# Altium PCB GameBoard_V1I1.PcbDoc (part 2 of 22)
Units mil, origin at the board's own origin, x right, y up, seen from the top; angles counter-clockwise.
Board outline 7165.35 x 2814.96 mil, 12 copper layers (L1, L2, L3, L4, L5 (PWR), L6 (PWR), L7 (PWR), L8 (PWR), L9, L10, L11, L12), stack 61.575 mil thick; 1551 components, 1072 nets, 5467 pads, 3785 vias.
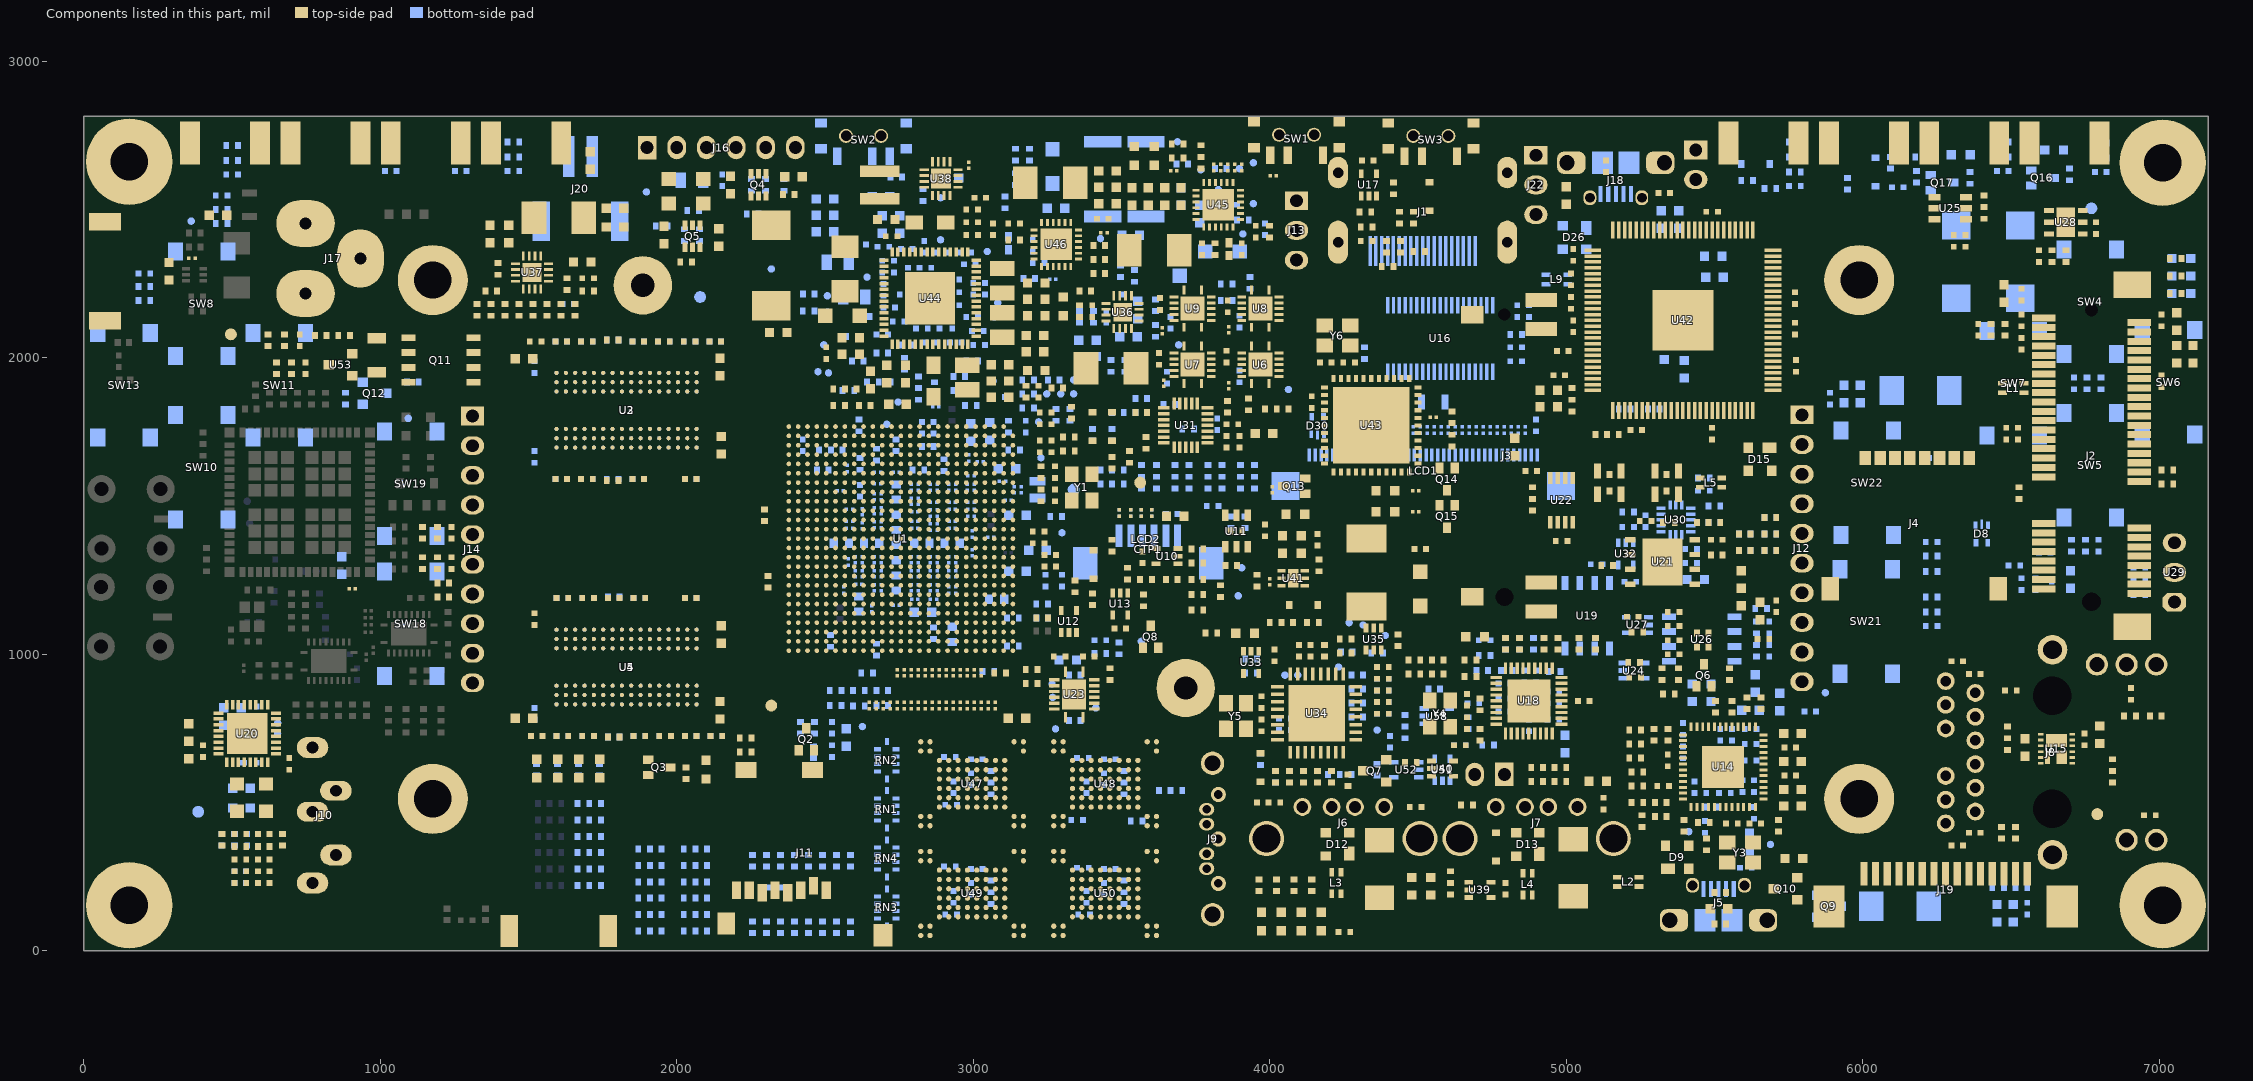
[diagram p12: the components of this part, seen from the top]

## Classes and differential pairs (continued)
net class "[03] - CPU - DDR3": +1V5_DDR +DDR_VREF DRAM0_ZQ DRAM1_ZQ DRAM2_ZQ DRAM3_ZQ DRAM_A0 DRAM_A1 DRAM_A2 DRAM_A3 DRAM_A4 DRAM_A5 DRAM_A6 DRAM_A7 DRAM_A8 DRAM_A9 DRAM_A10 DRAM_A11 DRAM_A12 DRAM_A13 DRAM_A14 DRAM_A15 DRAM_CAS_B DRAM_CLK0_N DRAM_CLK0_P DRAM_CLK1_N DRAM_CLK1_P DRAM_CS0_B DRAM_D0 DRAM_D1 DRAM_D2 DRAM_D3 DRAM_D4 DRAM_D5 DRAM_D6 DRAM_D7 DRAM_D8 DRAM_D9 DRAM_D10 DRAM_D11 DRAM_D12 DRAM_D13 DRAM_D14 DRAM_D15 DRAM_D16 DRAM_D17 DRAM_D18 DRAM_D19 DRAM_D20 DRAM_D21 DRAM_D22 DRAM_D23 DRAM_D24 DRAM_D25 DRAM_D26 DRAM_D27 DRAM_D28 DRAM_D29 DRAM_D30 DRAM_D31 DRAM_D32 DRAM_D33 DRAM_D34 DRAM_D35 DRAM_D36 DRAM_D37 DRAM_D38 DRAM_D39 DRAM_D40 DRAM_D41 DRAM_D42 DRAM_D43 DRAM_D44 DRAM_D45 DRAM_D46 DRAM_D47 DRAM_D48 DRAM_D49 DRAM_D50 DRAM_D51 DRAM_D52 DRAM_D53 DRAM_D54 DRAM_D55 DRAM_D56 DRAM_D57 DRAM_D58 DRAM_D59 DRAM_D60 DRAM_D61 DRAM_D62 DRAM_D63 DRAM_DQM0 DRAM_DQM1 DRAM_DQM2 DRAM_DQM3 DRAM_DQM4 DRAM_DQM5 DRAM_DQM6 DRAM_DQM7 DRAM_DQS0_N DRAM_DQS0_P DRAM_DQS1_N DRAM_DQS1_P DRAM_DQS2_N DRAM_DQS2_P DRAM_DQS3_N DRAM_DQS3_P DRAM_DQS4_N DRAM_DQS4_P DRAM_DQS5_N DRAM_DQS5_P DRAM_DQS6_N DRAM_DQS6_P DRAM_DQS7_N DRAM_DQS7_P DRAM_RAS_B DRAM_RESET_B DRAM_SDBA0 DRAM_SDBA1 DRAM_SDBA2 DRAM_SDCKE0 DRAM_SDODT0 DRAM_WE_B GND NetU1_AA11 NetU1_AB17 NetU1_AD17 NetU2_J1 NetU2_J9 NetU2_L1 NetU2_L9 NetU3_J1 NetU3_J9 NetU3_L1 NetU3_L9 NetU4_J1 NetU4_J9 NetU4_L1 NetU4_L9 NetU5_J1 NetU5_J9 NetU5_L1 NetU5_L9 ZQPAD
net class "[11] - CPU - JTAG/CONTROL": +1V5_DDR +3V0_ALWAYS +3V3 BOARD_ID_1 BOARD_VARIANT_0 BOARD_VARIANT_1 BOARD_VARIANT_2 BOOT_MODE0 BOOT_MODE1 CPU_XTALI CPU_XTALO GND JTAG_MOD JTAG_nTRST JTAG_TCK JTAG_TCK_R JTAG_TDI JTAG_TDI_R JTAG_TDO JTAG_TDO_R JTAG_TMS MCU_RSTOUTn MCU_RSTOUTn_R NetU1_C5 NetU1_D5 NetU1_V24 NetU1_W24 ON_OFF PCIE_RSTn PCIE_RSTn_R PMIC_INT PMIC_ON_REQ PMIC_STBY_REQ PMIC_STBY_REQ_CPU POK_1V375_OPT POK_3V3_OPT POK_PMIC POK_SYS POR_Bn POR_CT POR_R_Bn PWRON RGMII_RSTn RGMII_RSTn_R RSTINn RSTINn_BUFF RSTOUTn RSTOUTn_BUFF RSTOUTn_R RTC_XTALI RTC_XTALO SENSE_1V5 TAMPER TEST_MODE WD_OUT
component class "[31] - PWR BATTERY CHARGER": BAT1 C477 C478 C479 C480 C481 C482 C483 C484 C485 C486 C487 C488 C489 C490 C491 C492 C493 C494 C495 C496 C497 C498 D46 D47 D48 D49 D50 D51 D52 D53 J20 JP3 L17 L18 R465 R466 R467 R468 R469 R470 R471 R472 R473 R474 R475 R476 R477 R478 R479 R480 R481 R482 R483 R484 R485 R486 R487 R488 R489 R490 R491 R492 R493 R494 R495 R496 TP44 TP45 TP46 TP47 TP48 TP49 TP50 TP51 U45 U46
component class "[30] - PWR PMIC": C416 C417 C418 C419 C420 C421 C422 C423 C424 C425 C426 C427 C428 C429 C430 C431 C432 C433 C434 C435 C436 C437 C438 C439 C440 C441 C442 C443 C444 C445 C446 C447 C448 C449 C450 C451 C452 C453 C454 C455 C456 C457 C458 C459 C460 C461 C462 C463 C464 C465 C466 C467 C468 C469 C470 C471 C472 C473 C474 D45 FIRMWARE_FOR_U1 L11 L12 L13 L14 L15 L16 R430 R431 R432 R433 R434 R435 R436 R437 R438 R439 R440 R441 R442 TP27 TP28 TP29 TP30 TP31 TP32 TP33 TP34 TP35 TP36 TP37 TP38 TP39 TP40 TP41 U44
component class "[29] - PWR IN, MECH, DOC": C350 C351 C352 C353 C354 C355 C356 C357 C358 C359 C360 C519 C520 C521 D24 D25 D26 FB42 FID1 FID2 FID3 FID4 FID5 FID6 FID7 FID8 J13 J17 J18 J22 JP2 L8 L9 LINK2 MH1 MH2 MH3 MH4 MH5 MH6 PCB1 Q9 Q10 Q11 Q12 R317 R318 R319 R320 R321 R322 R323 R324 R325 R326 R506 R677 R678 R679 SW2 TP22 TP23 TP24 TP25 TP26 U38 U39 U40 U51 U52 U53 U58
component class "[28] - PWR 1V375 OPT, 3V3 OPT": C337 C338 C339 C340 C341 C342 C343 C344 C345 C346 C347 C348 C349 L6 L7 R294 R295 R296 R297 R298 R299 R300 R301 R302 R303 R304 R305 R306 R307 R308 R309 R310 R311 R312 R313 R314 R315 R316 TP21 U36 U37
component class "[27] - LEDS, BUTTONS": C395 C396 C397 C398 C399 C400 C401 C402 C403 C404 C405 C406 C407 C408 C409 C410 C411 C412 C413 C414 C415 D33 D34 D35 D36 D37 D38 D39 D40 D41 D42 D43 D44 Q16 Q17 R376 R377 R378 R379 R380 R381 R382 R383 R384 R385 R386 R387 R388 R389 R390 R391 R392 R393 R394 R395 R396 R397 R398 R399 R400 R401 R402 R403 R404 R405 R406 R407 R408 R409 R410 R411 R412 R413 R414 R415 R416 R417 R418 R419 R420 R421 R422 R423 R424 R425 R426 R427 R428 R429 SW4 SW5 SW6 SW7 SW8 SW9 SW10 SW11 SW12 SW13 SW14 SW15 SW16 SW17 SW18 SW19 SW20 SW21 SW22 SW23
component class "[25] - LCD,TSC": C361 C362 C363 C364 C365 C366 C367 C368 C369 C370 C371 C372 C373 C374 C375 C376 C377 C378 C379 C380 C381 C382 C383 C384 C385 C386 C387 C388 C389 C390 C391 C392 C393 C394 CTP1 D27 D28 D29 D30 D31 D32 FB43 FB44 FB45 FB46 FB47 L10 LCD1 LCD2 Q13 Q14 Q15 R327 R328 R329 R330 R331 R332 R333 R334 R335 R336 R337 R338 R339 R340 R341 R342 R343 R344 R345 R346 R347 R348 R349 R350 R351 R352 R353 R354 R355 R356 R357 R358 R359 R360 R361 R362 R363 R364 R365 R366 R367 R368 R369 R370 R371 R372 R373 R374 R375 R575 R589 SW3 TP56 U41 U42 U43 Y6
component class "[24] - HEADERS, UART": C289 C290 C297 C298 C299 C300 D15 D16 D17 D18 D19 D20 D21 FB24 FB27 FB28 FB31 J12 J14 J16 L5 Q4 Q5 R222 R223 R224 R225 R231 R232 R233 R234 R235 R236 R237 R238 R239 R240 R576 R577 R578 R579 R588 R629 R630 R631 R632 R633 R634 R635 R636 R637 R638 R639 R640 R641 R642 R643 R644 R645 R646 R647 R648 R649 R650 R651 R652 R653 R654 R655 R656 R657 R658 R659 R660 R661 R662 R663 R664 R665 R666 R667 R668 R669 R670 R671 R672 R673 RN1 RN2 RN3 RN4
component class "[23] - SENSORS, CAN, IR": C301 C302 C303 C304 C305 C306 C307 C308 C309 C310 C311 C312 C313 C314 C315 C316 C317 C318 C319 C320 C321 C322 C323 C324 FB32 FB33 FB34 FB35 Q6 R241 R242 R243 R244 R245 R246 R247 R248 R249 R250 R251 R252 R253 R254 R255 R256 R257 R258 R259 R260 R261 R262 R263 R264 R265 R266 R267 R268 U24 U25 U26 U27 U28 U29 U30 U31 U32
component class "[22] - SD CARD, SPI, FLASH, EEPROM,": C284 C285 C286 C287 C288 CR3 D14 FIRMWARE_FOR_CARD_IN_J1 J11 Q2 Q3 R207 R208 R209 R210 R211 R212 R213 R214 R215 R216 R217 R218 R219 R221 R229 R230 R559 R560 R561 R580 R615 R616 R617 R618 R619 R622 TP14 TP15 TP16 TP17 TP18 U21 U22 U23
component class "[21] - AUDIO": C268 C269 C270 C271 C272 C273 C274 C275 C276 C277 C278 C279 C280 C281 C282 C283 FB16 FB17 FB18 FB19 FB20 FB21 FB22 FB23 J10 R201 R202 R203 R204 R205 R206 TP12 TP13 U20
component class "[20] - ETHERNET, SATA": C262 C263 C264 C265 C266 C267 J8 J9 R199 R200
component class "[19] - USB": C240 C241 C242 C243 C244 C245 C246 C247 C248 C249 C250 C251 C252 C253 C254 C255 C256 C257 C258 C259 C260 C261 D9 D10 D11 D12 D13 FB12 FB13 FB14 FB15 J5 J6 J7 L2 L3 L4 R157 R158 R159 R160 R161 R162 R163 R164 R165 R166 R167 R168 R169 R170 R171 R172 R173 R174 R175 R176 R177 R178 R179 R180 R181 R182 R183 R184 R185 R186 R187 R188 R189 R190 R191 R192 R193 R194 R195 R196 R197 R198 TP11 U18 U19 Y4
component class "[18] - PCIE MINI": C224 C225 C226 C227 C228 C229 C230 C231 C232 C233 C234 C235 C236 C237 C238 C239 CR1 CR2 D5 D6 D7 D8 FB8 FB9 FB10 FB11 J2 J3 J4 L1 R151 R152 R153 R154 R155 R156
component class "[17] - LVDS, CSI": C475 C476 FB48 J19 R443 R444 R445 R446 R447 R448 R449 R450 R451 R452 R453 R454 R455 R456 R457 R458 R459 R460 R461 R462 R463 R464 TP42 TP43
component class "[16] - HDMI": C218 C219 C220 C221 C222 C223 D4 J1 R141 R142 R143 R144 R145 R146 R147 R148 R149 R150 U16 U17
component class "[15] - ETHERNET PHY": C188 C189 C190 C191 C192 C193 C194 C195 C196 C197 C198 C199 C200 C201 C202 C203 C204 C205 C206 C207 C208 C209 C210 C211 C212 C213 C214 C215 C216 C217 FB2 FB3 FB4 FB5 FB6 FB7 R117 R118 R119 R120 R121 R122 R123 R124 R125 R126 R127 R128 R129 R130 R131 R132 R133 R134 R135 R136 R137 R138 R139 R140 TP9 TP10 U14 U15 Y3
component class "[14] - MCU": C325 C326 C327 C328 C329 C330 C331 C332 C333 C334 C335 C336 D22 D23 FB36 FB37 FB38 FB39 FB40 FB41 Q7 Q8 R226 R227 R228 R269 R270 R271 R272 R273 R274 R275 R276 R277 R278 R279 R280 R281 R282 R283 R284 R285 R286 R287 R288 R289 R290 R291 R292 R293 R582 R583 TP19 TP20 TP52 TP53 TP54 TP55 U33 U34 U35 Y5
component class "[12] - CPU - POWER": C103 C104 C105 C106 C107 C108 C109 C110 C111 C112 C113 C114 C115 C116 C117 C118 C119 C120 C121 C122 C123 C124 C125 C126 C127 C128 C129 C130 C131 C132 C133 C134 C135 C136 C137 C138 C139 C140 C141 C142 C143 C144 C145 C146 C147 C148 C149 C150 C151 C152 C153 C154 C155 C156 C157 C158 C159 C160 C161 C162 C163 C164 C165 C166 C167 C168 C169 C170 C171 C172 C173 C174 C175 C176 C177 C178 C179 C180 C181 C182 C183 C184 C185 C186 C187 R113 R114 R115 R116
component class "[11] - CPU - JTAG, CONTROL": C94 C95 C96 C97 C98 C99 C100 C101 C102 D1 D2 D3 LINK1 R66 R67 R68 R69 R70 R71 R72 R73 R74 R75 R76 R77 R78 R79 R80 R81 R82 R84 R85 R86 R87 R88 R89 R90 R91 R92 R93 R94 R95 R96 R97 R98 R99 R100 R101 R102 R103 R104 R105 R106 R107 R108 R109 R110 R111 R112 TP3 TP4 TP5 TP6 TP7 TP8 U1 U10 U11 U12 U13 Y1 Y2
component class "[10] - CPU - GPIO, PWM, LEDS, BUTTONS": R46 R47 R48 R49 R50 R51 TP2
component class "[08] - CPU - SPI, UART": R42 R44 R45
component class "[07] - CPU - CSI, FLASH": C499 C500 C501 C502 C503 C504 C505 C506 C507 C508 C509 C510 C511 C512 C513 C514 C515 C516 C517 C518 FB49 R497 R498 R499 R500 R501 R502 R503 R504 R505 R574 U47 U48 U49 U50
component class "[09] - CPU - SD, AUDIO, I2C, CAN": R52 R53 R54 R55 R56 R57 R58 R59 R60 R61 R62 R63 R64 R65 R591 R592 R593 R594 R595 R596 R597 R598 R599 R600 R601 R602 R603 R604 R605 R606 R607 R608 R609 R610 R611 R612 R613 R614 R620 R621
component class "[05] - CPU - HDMI, LVDS": C72 C73 C74 C75 C76 C77 C78 C79 C80 C81 C82 C83 C84 C85 C86 R20 R21 R22 R23 R24 R25 R26 R27 R28 R29 R30 R31 R32 R33 R34 R35 R36 R587 SW1 U6 U7 U8 U9
component class "[04] - CPU - PCIE, USB": C59 C60 C61 C62 C63 C64 C65 C66 C67 C68 C69 C70 C71 FB1 R12 R13 R14 R15 R16 R17 R18 R19 R581 R590 R625 R626 R674 TP1 TP61
component class "[03] - CPU - DDR3, DDR3 MEM": C1 C2 C3 C4 C5 C6 C7 C8 C9 C10 C11 C12 C13 C14 C15 C16 C17 C18 C19 C20 C21 C22 C23 C24 C25 C26 C27 C28 C29 C30 C31 C32 C33 C34 C35 C36 C37 C38 C39 C40 C41 C42 C43 C44 C45 C46 C47 C48 C49 C50 C51 C52 C53 C54 C55 C56 C57 C58 R1 R2 R3 R4 R5 R6 R7 R8 R9 R10 R11 U2 U3 U4 U5
net class MCU_LCD_SE: ACTIVE QB0 QB1 QB2 QB3 QB4 QB5 QB6 QB7 QDE QE0 QE1 QE2 QE3 QE4 QE5 QE6 QE7 QHSYNC QODCK QR0 QR1 QR2 QR3 QR4 QR5 QR6 QR7 QVSYNC
net class BUTTONS: BUMP_L1 BUMP_L2 BUMP_R1 BUMP_R2 MOV_LD MOV_LL MOV_LR MOV_LU MOV_RD MOV_RL MOV_RR MOV_RU SEL_L1 SEL_L2 SEL_R1 SEL_R2 USER_BTN_1 USER_BTN_2 USER_BTN_3
net class USER_LEDS: USER_LED_1 USER_LED_2 USER_LED_3 USER_LED_4 USER_LED_5 USER_LED_6 USER_LED_7 USER_LED_8
net class USB1: USB1_HUB_N USB1_HUB_P USB1_N USB1_P USB_BOT_L_N USB_BOT_L_P USB_BOT_N USB_BOT_P USB_H1_OC USB_HDR_L_N USB_HDR_L_P USB_MCU_N USB_MCU_P USB_MCU_R_N USB_MCU_R_P USB_MPCIE_L_N USB_MPCIE_L_P USB_MPCIE_N USB_MPCIE_OC USB_MPCIE_P USB_TOP_L_N USB_TOP_L_P USB_TOP_N USB_TOP_P USBDN1_N USBDN1_OC USBDN1_P USBDN1_PWR_EN USBDN2_N USBDN2_OC USBDN2_P USBDN2_PWR_EN USBDN3_N USBDN3_OC USBDN3_P USBDN4_N USBDN4_P
net class USB0: USB0_CHD USB0_ID USB0_ID_BUFF_EN USB0_N USB0_OTG_L_N USB0_OTG_L_P USB0_OTG_N USB0_OTG_P USB0_P USB_OC
net class UART5: UART5_CTS UART5_RTS UART5_RXD UART5_TXD
net class UART3: UART3_CTS UART3_RTS UART3_RXD UART3_TXD
net class UART2: UART2_RXD UART2_TXD
net class UART1: UART1_CTS UART1_CTS_FTDI UART1_RTS UART1_RTS_FTDI UART1_RXD UART1_RXD_FTDI UART1_TXD UART1_TXD_FTDI
net class TS: TS_X+ TS_X- TS_Y+ TS_Y-
net class SIM: +MPCIE_SIM_PWR +MPCIE_SIM_VPP MPCIE_SIM_C4 MPCIE_SIM_C4_R MPCIE_SIM_C8 MPCIE_SIM_C8_R MPCIE_SIM_CLK MPCIE_SIM_DATA MPCIE_SIM_RST
net class SD2: SD2_ACT SD2_CD SD2_CLK SD2_CLK_R SD2_CMD SD2_CMD_R SD2_DATA0 SD2_DATA1 SD2_DATA2 SD2_DATA3 SD2_WP
net class SATA: SATA_C_RX_N SATA_C_RX_P SATA_C_TX_N SATA_C_TX_P SATA_REXT SATA_RX_N SATA_RX_P SATA_TX_N SATA_TX_P
net class RGMII_TXD: RGMII_R_TXCLK RGMII_TXCLK RGMII_TXD0 RGMII_TXD1 RGMII_TXD2 RGMII_TXD3 RGMII_TXEN
net class RGMII_RXD: RGMII_R_RXCLK RGMII_RXCLK RGMII_RXD0 RGMII_RXD1 RGMII_RXD2 RGMII_RXD3 RGMII_RXDV
net class RGMII_MISC: ENET_REF_CLK ENET_REF_CLK_R ETH_ISET RGMII_INT RGMII_INT_R RGMII_MDC RGMII_MDIO RGMII_R_MDC RGMII_R_MDIO
net class PWM: BL_PWM CHARGE_C\E\ CHARGE_INT VPP/MCLR
net class PCIE: PCIE_C_TX_N PCIE_C_TX_P PCIE_CLK_C_N PCIE_CLK_C_P PCIE_CLK_N PCIE_CLK_P PCIE_RSTn_R PCIE_RSTn_R_CPU PCIE_RX_N PCIE_RX_P PCIE_TX_N PCIE_TX_P PCIE_WAKE PCIE_WDISn
net class MIPI_CSI: CSI_CLK0_N CSI_CLK0_P CSI_D0_N CSI_D0_P CSI_D1_N CSI_D1_P CSI_GPIO0 CSI_GPIO1 CSI_REXT
net class LVDS: LVDS0_CLK_N LVDS0_CLK_P LVDS0_TX0_N LVDS0_TX0_P LVDS0_TX1_N LVDS0_TX1_P LVDS0_TX2_N LVDS0_TX2_P LVDS0_TX3_N LVDS0_TX3_P
net class LCD_SE: LCD_B0 LCD_B1 LCD_B2 LCD_B3 LCD_B4 LCD_B5 LCD_B6 LCD_B7 LCD_DE LCD_G0 LCD_G1 LCD_G2 LCD_G3 LCD_G4 LCD_G5 LCD_G6 LCD_G7 LCD_HSYNC LCD_PCLK LCD_R0 LCD_R1 LCD_R2 LCD_R3 LCD_R4 LCD_R5 LCD_R6 LCD_R7 LCD_VSYNC
net class LCD_R[7..0]: LCD_R0 LCD_R1 LCD_R2 LCD_R3 LCD_R4 LCD_R5 LCD_R6 LCD_R7
net class LCD_G[7..0]: LCD_G0 LCD_G1 LCD_G2 LCD_G3 LCD_G4 LCD_G5 LCD_G6 LCD_G7
net class LCD_B[7..0]: LCD_B0 LCD_B1 LCD_B2 LCD_B3 LCD_B4 LCD_B5 LCD_B6 LCD_B7
net class JTAG: JTAG_MOD JTAG_nTRST JTAG_TCK JTAG_TCK_R JTAG_TDI JTAG_TDI_R JTAG_TDO JTAG_TDO_R JTAG_TMS
net class I2C3: I2C3_SCL I2C3_SDA
net class I2C2: I2C2_SCL I2C2_SDA
net class I2C1: I2C1_SCL I2C1_SDA
net class HDMI: HDMI_CEC HDMI_CEC_CON HDMI_CEC_IN HDMI_DDC HDMI_HPD HDMI_HPD_BUFF HDMI_HPD_CON HDMI_HPD_R HDMI_SCL_CON HDMI_SCL_CON_R HDMI_SDA_CON HDMI_SDA_CON_R MX6_HDMI_CLK_N MX6_HDMI_CLK_P MX6_HDMI_D0_N MX6_HDMI_D0_P MX6_HDMI_D1_N MX6_HDMI_D1_P MX6_HDMI_D2_N MX6_HDMI_D2_P
net class GPIO: CPU_GPIO0 CPU_GPIO1 CPU_GPIO2
net class GPIO_MISC: COMP_INT GYRO_INT IR_RCV MCU_ISPn MCU_RSTINn MCU_SWDIO MCU_SWDIO_SEL TEMP_ALERT USER_LED
net class FLEXCAN: CAN_N CAN_P FLEXCAN1_RX FLEXCAN1_STBY FLEXCAN1_TX SPLIT_R
net class ENET: ENET_LED_LINK ENET_LED_RX LED1 LED2 TRD0_N TRD0_P TRD1_N TRD1_P TRD2_N TRD2_P TRD3_N TRD3_P
net class DRAM_SDCLK: DRAM_CLK0_N DRAM_CLK0_P DRAM_CLK1_N DRAM_CLK1_P
net class DRAM_OTHERS: ZQPAD
net class DRAM_D[63..0]: DRAM_D0 DRAM_D1 DRAM_D2 DRAM_D3 DRAM_D4 DRAM_D5 DRAM_D6 DRAM_D7 DRAM_D8 DRAM_D9 DRAM_D10 DRAM_D11 DRAM_D12 DRAM_D13 DRAM_D14 DRAM_D15 DRAM_D16 DRAM_D17 DRAM_D18 DRAM_D19 DRAM_D20 DRAM_D21 DRAM_D22 DRAM_D23 DRAM_D24 DRAM_D25 DRAM_D26 DRAM_D27 DRAM_D28 DRAM_D29 DRAM_D30 DRAM_D31 DRAM_D32 DRAM_D33 DRAM_D34 DRAM_D35 DRAM_D36 DRAM_D37 DRAM_D38 DRAM_D39 DRAM_D40 DRAM_D41 DRAM_D42 DRAM_D43 DRAM_D44 DRAM_D45 DRAM_D46 DRAM_D47 DRAM_D48 DRAM_D49 DRAM_D50 DRAM_D51 DRAM_D52 DRAM_D53 DRAM_D54 DRAM_D55 DRAM_D56 DRAM_D57 DRAM_D58 DRAM_D59 DRAM_D60 DRAM_D61 DRAM_D62 DRAM_D63
net class DRAM_BANK7: DRAM_D56 DRAM_D57 DRAM_D58 DRAM_D59 DRAM_D60 DRAM_D61 DRAM_D62 DRAM_D63 DRAM_DQM7 DRAM_DQS7_N DRAM_DQS7_P
net class DRAM_BANK6: DRAM_D48 DRAM_D49 DRAM_D50 DRAM_D51 DRAM_D52 DRAM_D53 DRAM_D54 DRAM_D55 DRAM_DQM6 DRAM_DQS6_N DRAM_DQS6_P
net class DRAM_BANK5: DRAM_D40 DRAM_D41 DRAM_D42 DRAM_D43 DRAM_D44 DRAM_D45 DRAM_D46 DRAM_D47 DRAM_DQM5 DRAM_DQS5_N DRAM_DQS5_P
net class DRAM_BANK4: DRAM_D32 DRAM_D33 DRAM_D34 DRAM_D35 DRAM_D36 DRAM_D37 DRAM_D38 DRAM_D39 DRAM_DQM4 DRAM_DQS4_N DRAM_DQS4_P
net class DRAM_BANK3: DRAM_D24 DRAM_D25 DRAM_D26 DRAM_D27 DRAM_D28 DRAM_D29 DRAM_D30 DRAM_D31 DRAM_DQM3 DRAM_DQS3_N DRAM_DQS3_P
net class DRAM_BANK2: DRAM_D16 DRAM_D17 DRAM_D18 DRAM_D19 DRAM_D20 DRAM_D21 DRAM_D22 DRAM_D23 DRAM_DQM2 DRAM_DQS2_N DRAM_DQS2_P
net class DRAM_BANK1: DRAM_D8 DRAM_D9 DRAM_D10 DRAM_D11 DRAM_D12 DRAM_D13 DRAM_D14 DRAM_D15 DRAM_DQM1 DRAM_DQS1_N DRAM_DQS1_P
net class DRAM_BANK0: DRAM_D0 DRAM_D1 DRAM_D2 DRAM_D3 DRAM_D4 DRAM_D5 DRAM_D6 DRAM_D7 DRAM_DQM0 DRAM_DQS0_N DRAM_DQS0_P
net class DRAM_ADDR_CTRL: DRAM_A0 DRAM_A1 DRAM_A2 DRAM_A3 DRAM_A4 DRAM_A5 DRAM_A6 DRAM_A7 DRAM_A8 DRAM_A9 DRAM_A10 DRAM_A11 DRAM_A12 DRAM_A13 DRAM_A14 DRAM_A15 DRAM_CAS_B DRAM_CS0_B DRAM_RAS_B DRAM_RESET_B DRAM_SDBA0 DRAM_SDBA1 DRAM_SDBA2 DRAM_SDCKE0 DRAM_SDODT0 DRAM_WE_B
net class DRAM_A[15..0]: DRAM_A0 DRAM_A1 DRAM_A2 DRAM_A3 DRAM_A4 DRAM_A5 DRAM_A6 DRAM_A7 DRAM_A8 DRAM_A9 DRAM_A10 DRAM_A11 DRAM_A12 DRAM_A13 DRAM_A14 DRAM_A15
net class DIFF100: CAN_N CAN_P CSI_CLK0_N CSI_CLK0_P CSI_CLK0_R_N CSI_CLK0_R_P CSI_D0_N CSI_D0_P CSI_D0_R_N CSI_D0_R_P CSI_D1_N CSI_D1_P CSI_D1_R_N CSI_D1_R_P DRAM_CLK0_N DRAM_CLK0_P DRAM_CLK1_N DRAM_CLK1_P DRAM_DQS0_N DRAM_DQS0_P DRAM_DQS1_N DRAM_DQS1_P DRAM_DQS2_N DRAM_DQS2_P DRAM_DQS3_N DRAM_DQS3_P DRAM_DQS4_N DRAM_DQS4_P DRAM_DQS5_N DRAM_DQS5_P DRAM_DQS6_N DRAM_DQS6_P DRAM_DQS7_N DRAM_DQS7_P HDMI_CLK_N HDMI_CLK_P HDMI_D0_N HDMI_D0_P HDMI_D1_N HDMI_D1_P HDMI_D2_N HDMI_D2_P LCD_HDMI_CLK_N LCD_HDMI_CLK_P LCD_HDMI_D0_N LCD_HDMI_D0_P LCD_HDMI_D1_N LCD_HDMI_D1_P LCD_HDMI_D2_N LCD_HDMI_D2_P LVDS0_CLK_N LVDS0_CLK_P LVDS0_CLK_R_N LVDS0_CLK_R_P LVDS0_TX0_N LVDS0_TX0_P LVDS0_TX1_N LVDS0_TX1_P LVDS0_TX2_N LVDS0_TX2_P LVDS0_TX3_N LVDS0_TX3_P MX6_HDMI_CLK_N MX6_HDMI_CLK_P MX6_HDMI_D0_N MX6_HDMI_D0_P MX6_HDMI_D1_N MX6_HDMI_D1_P MX6_HDMI_D2_N MX6_HDMI_D2_P PCIE_CLK_C_N PCIE_CLK_C_P PCIE_CLK_N PCIE_CLK_P SATA_C_RX_N SATA_C_RX_P SATA_C_TX_N SATA_C_TX_P SATA_RX_N SATA_RX_P SATA_TX_N SATA_TX_P TRD0_N TRD0_P TRD1_N TRD1_P TRD2_N TRD2_P TRD3_N TRD3_P
net class DIFF90: PCIE_C_TX_N PCIE_C_TX_P PCIE_RX_N PCIE_RX_P PCIE_TX_N PCIE_TX_P USB0_N USB0_OTG_L_N USB0_OTG_L_P USB0_OTG_N USB0_OTG_P USB0_P USB1_HUB_N USB1_HUB_P USB1_N USB1_P USB_BOT_L_N USB_BOT_L_P USB_BOT_N USB_BOT_P USB_HDR_L_N USB_HDR_L_P USB_HDR_N USB_HDR_P USB_LCDCTP_N USB_LCDCTP_P USB_MCU_N USB_MCU_P USB_MCU_R_N USB_MCU_R_P USB_MPCIE_L_N USB_MPCIE_L_P USB_MPCIE_N USB_MPCIE_P USB_TOP_L_N USB_TOP_L_P USB_TOP_N USB_TOP_P USBCh_OTG_L_N USBCh_OTG_L_P USBCh_OTG_N USBCh_OTG_P USBDN1_N USBDN1_P USBDN2_N USBDN2_P USBDN3_N USBDN3_P USBDN4_N USBDN4_P
net class CSPI3: CSPI3_CLK CSPI3_CLK_R CSPI3_CS0 CSPI3_CS2 CSPI3_MCU_CLK CSPI3_MCU_CS0 CSPI3_MCU_ENn CSPI3_MCU_MISO CSPI3_MCU_MOSI CSPI3_MISO CSPI3_MOSI
net class CSPI2: CSPI2_RXD CSPI2_TXC CSPI2_TXD CSPI2_TXFS
net class CSPI1: CSPI1_CLK CSPI1_CLK_R CSPI1_CS0 CSPI1_CS1 CSPI1_MISO CSPI1_MOSI
net class "CSI / LVDS": CSI_CLK0_R_N CSI_CLK0_R_P CSI_D0_R_N CSI_D0_R_P CSI_D1_R_N CSI_D1_R_P I2C2_CSI_SCL I2C2_CSI_SDA LVDS0_CLK_R_N LVDS0_CLK_R_P
net class AUD3: AUD3_CLK AUD3_CLK_R AUD3_RXD AUD3_TXC AUD3_TXC_R AUD3_TXD AUD3_TXFS
net class USBCh: USBCh_OTG_L_N USBCh_OTG_L_P
differential pair USBDN4: +USBDN4_P -USBDN4_N
differential pair USBDN3: +USBDN3_P -USBDN3_N
differential pair USBDN2: +USBDN2_P -USBDN2_N
differential pair USBDN1: +USBDN1_P -USBDN1_N
differential pair USB_TOP: +USB_TOP_P -USB_TOP_N
differential pair USB_TOP_L: +USB_TOP_L_P -USB_TOP_L_N
differential pair USB_MPCIE: +USB_MPCIE_P -USB_MPCIE_N
differential pair USB_MPCIE_L: +USB_MPCIE_L_P -USB_MPCIE_L_N
differential pair USB_MCU: +USB_MCU_P -USB_MCU_N
differential pair USB_MCU_R: +USB_MCU_R_P -USB_MCU_R_N
differential pair USB_LCDCTP: +USB_LCDCTP_P -USB_LCDCTP_N
differential pair USB_HDR: +USB_HDR_P -USB_HDR_N
differential pair USB_HDR_L: +USB_HDR_L_P -USB_HDR_L_N
differential pair USB_BOT: +USB_BOT_P -USB_BOT_N
differential pair USB_BOT_L: +USB_BOT_L_P -USB_BOT_L_N
differential pair USB1: +USB1_P -USB1_N
differential pair USB1_HUB: +USB1_HUB_P -USB1_HUB_N
differential pair USB0: +USB0_P -USB0_N
differential pair USB0_OTG: +USB0_OTG_P -USB0_OTG_N
differential pair USB0_OTG_L: +USB0_OTG_L_P -USB0_OTG_L_N
differential pair TRD3: +TRD3_P -TRD3_N
differential pair TRD2: +TRD2_P -TRD2_N
differential pair TRD1: +TRD1_P -TRD1_N
differential pair TRD0: +TRD0_P -TRD0_N
differential pair SATA_TX: +SATA_TX_P -SATA_TX_N
differential pair SATA_RX: +SATA_RX_P -SATA_RX_N
differential pair SATA_C_TX: +SATA_C_TX_P -SATA_C_TX_N
differential pair SATA_C_RX: +SATA_C_RX_P -SATA_C_RX_N
differential pair PCIE_TX: +PCIE_TX_P -PCIE_TX_N
differential pair PCIE_RX: +PCIE_RX_P -PCIE_RX_N
differential pair PCIE_CLK: +PCIE_CLK_P -PCIE_CLK_N
differential pair PCIE_CLK_C: +PCIE_CLK_C_P -PCIE_CLK_C_N
differential pair PCIE_C_TX: +PCIE_C_TX_P -PCIE_C_TX_N
differential pair MX6_HDMI_D2: +MX6_HDMI_D2_P -MX6_HDMI_D2_N
differential pair MX6_HDMI_D1: +MX6_HDMI_D1_P -MX6_HDMI_D1_N
differential pair MX6_HDMI_D0: +MX6_HDMI_D0_P -MX6_HDMI_D0_N
differential pair MX6_HDMI_CLK: +MX6_HDMI_CLK_P -MX6_HDMI_CLK_N
differential pair LVDS0_TX3: +LVDS0_TX3_P -LVDS0_TX3_N
differential pair LVDS0_TX2: +LVDS0_TX2_P -LVDS0_TX2_N
differential pair LVDS0_TX1: +LVDS0_TX1_P -LVDS0_TX1_N
differential pair LVDS0_TX0: +LVDS0_TX0_P -LVDS0_TX0_N
differential pair LVDS0_CLK: +LVDS0_CLK_P -LVDS0_CLK_N
differential pair LVDS0_CLK_R: +LVDS0_CLK_R_P -LVDS0_CLK_R_N
differential pair LCD_HDMI_D2: +LCD_HDMI_D2_P -LCD_HDMI_D2_N
differential pair LCD_HDMI_D1: +LCD_HDMI_D1_P -LCD_HDMI_D1_N
differential pair LCD_HDMI_D0: +LCD_HDMI_D0_P -LCD_HDMI_D0_N
differential pair LCD_HDMI_CLK: +LCD_HDMI_CLK_P -LCD_HDMI_CLK_N
differential pair HDMI_D2: +HDMI_D2_P -HDMI_D2_N
differential pair HDMI_D1: +HDMI_D1_P -HDMI_D1_N
differential pair HDMI_D0: +HDMI_D0_P -HDMI_D0_N
differential pair HDMI_CLK: +HDMI_CLK_P -HDMI_CLK_N
differential pair DRAM_DQS7: +DRAM_DQS7_P -DRAM_DQS7_N
differential pair DRAM_DQS6: +DRAM_DQS6_P -DRAM_DQS6_N
differential pair DRAM_DQS5: +DRAM_DQS5_P -DRAM_DQS5_N
differential pair DRAM_DQS4: +DRAM_DQS4_P -DRAM_DQS4_N
differential pair DRAM_DQS3: +DRAM_DQS3_P -DRAM_DQS3_N
differential pair DRAM_DQS2: +DRAM_DQS2_P -DRAM_DQS2_N
differential pair DRAM_DQS1: +DRAM_DQS1_P -DRAM_DQS1_N
differential pair DRAM_DQS0: +DRAM_DQS0_P -DRAM_DQS0_N
differential pair DRAM_CLK1: +DRAM_CLK1_P -DRAM_CLK1_N
differential pair DRAM_CLK0: +DRAM_CLK0_P -DRAM_CLK0_N
differential pair CSI_D1: +CSI_D1_P -CSI_D1_N
differential pair CSI_D1_R: +CSI_D1_R_P -CSI_D1_R_N
differential pair CSI_D0: +CSI_D0_P -CSI_D0_N
differential pair CSI_D0_R: +CSI_D0_R_P -CSI_D0_R_N
differential pair CSI_CLK0: +CSI_CLK0_P -CSI_CLK0_N
differential pair CSI_CLK0_R: +CSI_CLK0_R_P -CSI_CLK0_R_N
differential pair CAN: +CAN_P -CAN_N